# Altium PCB IOT_Gas.PcbDoc
Units mil, origin at the board's own origin, x right, y up, seen from the top; angles counter-clockwise.
Board outline 5095 x 4145.03 mil, 2 copper layers (Top Layer, Bottom Layer); 24 components, 21 nets, 116 pads, 6 vias.
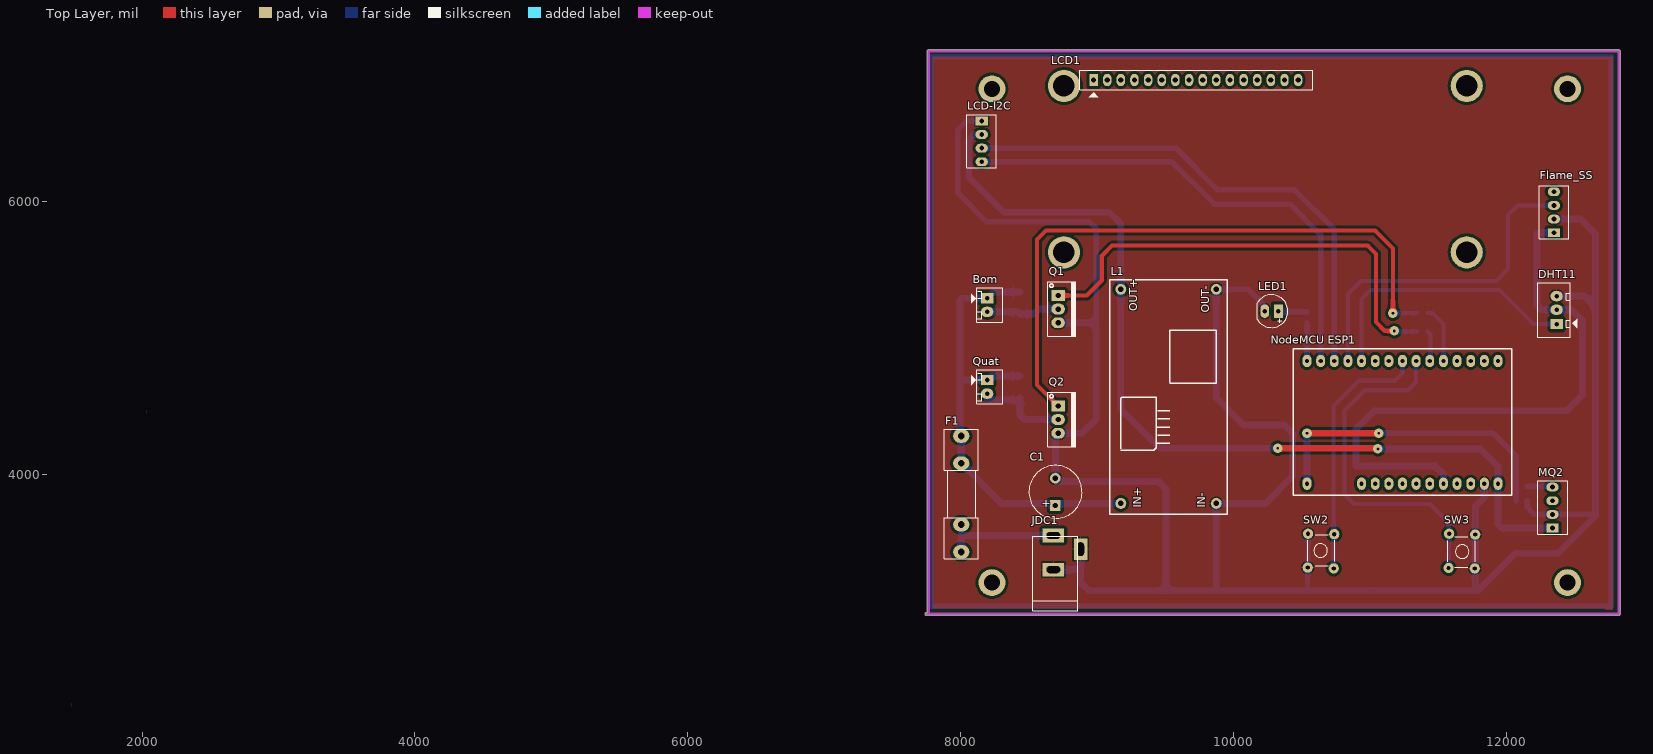
[diagram p0: Top Layer view]
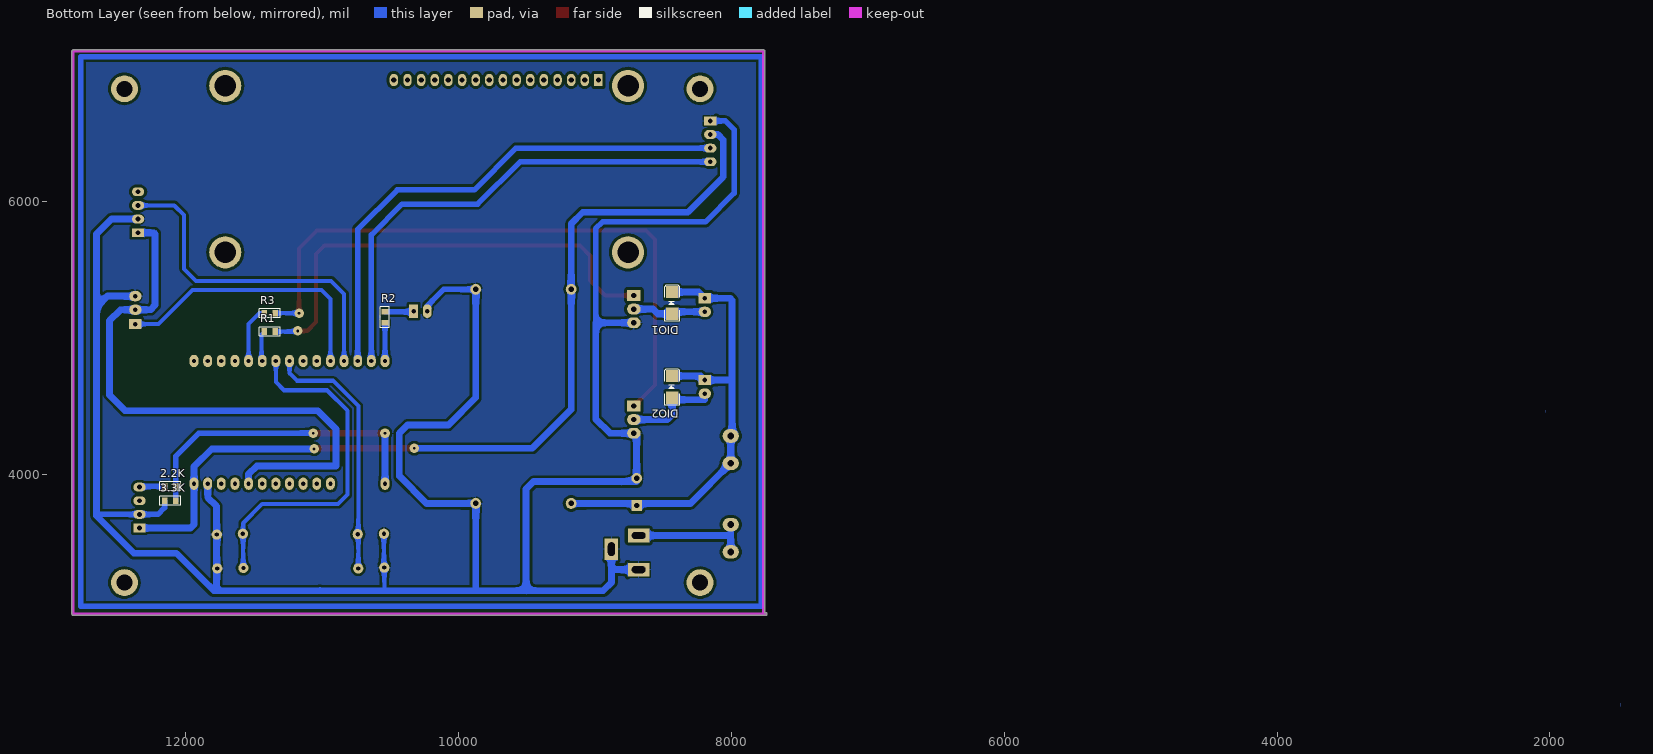
[diagram p1: Bottom Layer view, seen from below]
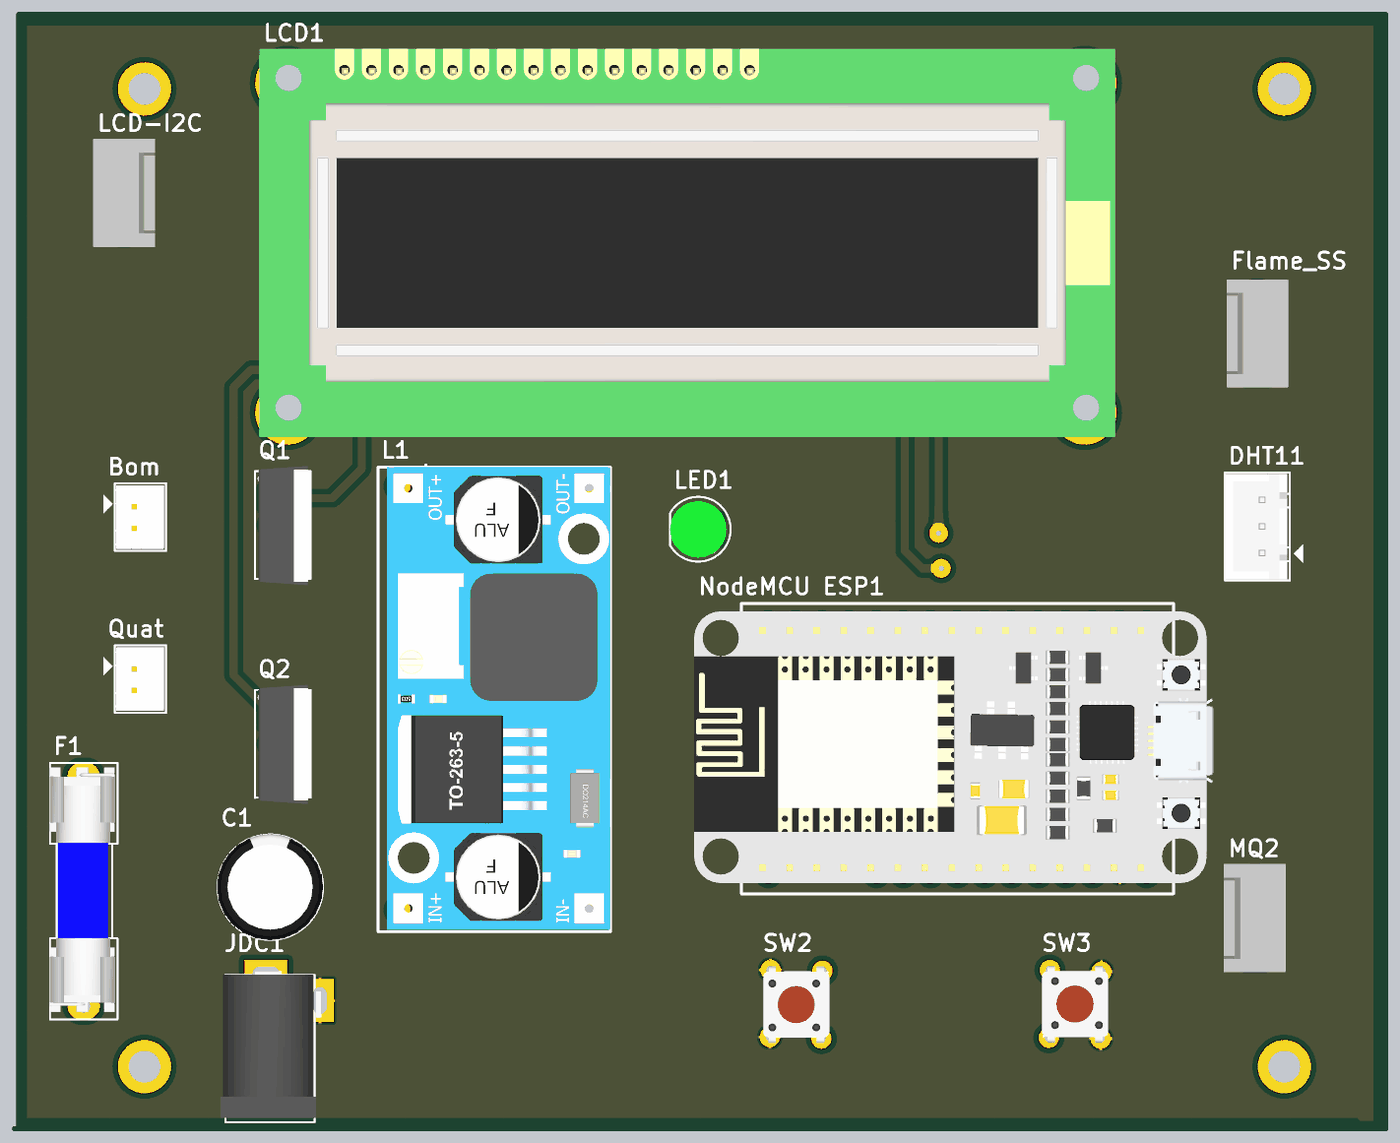
[diagram p2: 3D render of the assembled board from above, using the file's embedded part models]
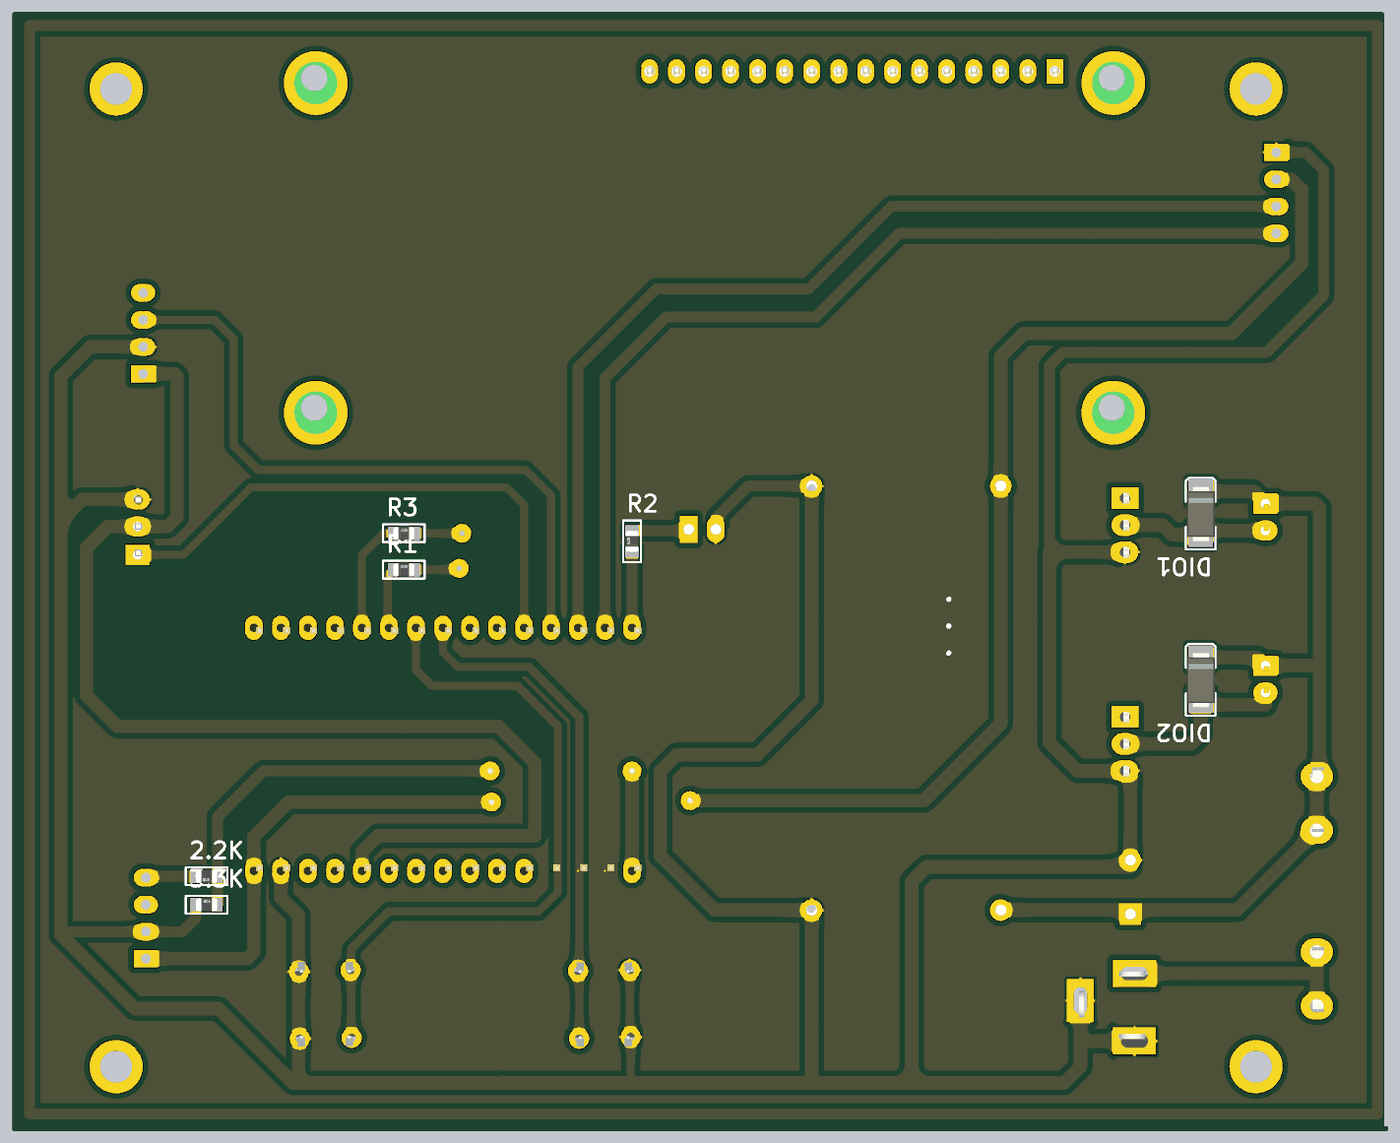
[diagram p3: 3D render of the assembled board from below, using the file's embedded part models]

## Layer stack, top to bottom
Top Solder: solder mask 0.4, Solder Resist, Dk 3.5
Top Layer: signal copper 1.4
Dielectric 1: dielectric 12.6, FR-4, Dk 4.8
Bottom Layer: signal copper 1.4
Bottom Solder: solder mask 0.4, Solder Resist, Dk 3.5

## Board outline
7750,2964.99 cw(c7750,2975) 7750,2985.01 7754.98,2985.01 7754.98,7100 cw(c7765,7100) 7765,7110.02 12825,7110.02 cw(c12825,7100) 12835.01,7100 12835.01,2975 cw(c12825,2975) 12825,2964.99

## Design rules (kind name [scope] priority, off if disabled: settings)
Clearance [All] p1: gap=20 ignorepadtopadclearanceinfootprint=FALSE
PolygonConnect [All] p1: connectstyle=Relief reliefconductorwidth=10 reliefentries=4 polygonreliefangle="90 Angle" airgapwidth=10
RoomDefinition IOT_Gas [InComponentClass('IOT_Gas')] p1: confinementstyle=ConfineIn formatcopy=TRUE lockcomponents=FALSE outline 0,0 2000,0 2000,1000 0,1000
RoutingVias [All] p1: holewidth=20 width=70 viastyle="Through Hole" minholewidth=20 minwidth=70 maxholewidth=20 maxwidth=70
SilkToSilkClearance [IsText] p1: silktosilkclearance=10
SolderMaskExpansion [All] p1: expansion=4
Width [All] p1: maxlimit=50 minlimit=30 preferedwidth=40
29 further rules are at their usual default settings.

## Components (designator, comment, footprint, x,y, rotation, side; value= is the part's Value field where it differs from the comment)
2.2K "2k2" "DIEN TRO 0805" 12115,3910 r180 bottom
3.3K "3k3" "DIEN TRO 0805" 12115,3805 r0 bottom
Bom "Bom" Header2 8195,5290 r270 top
C1 "1000uF/16V" C10mm 8695,3870 r90 top
DHT11 "DHT11" Header3 12370,5105 r90 top
DIO1 "M7" DIO-SMD-106 8435,5255 r270 bottom value=1N5007
DIO2 "M7" DIO-SMD-106 8435,4640 r270 bottom value=1N5007
F1 "F2A" Fuse 8005,3855 r90 top value=Fuse
Flame_SS "Flame_SS" HDR4 12350,5770 r90 top
JDC1 "Jac DC" DC-IN 8780,3425 r90 top
L1 "BUCK_LM2596" BUCK_LM2596 9495,4555 r90 top
LCD1 "LCD 16x2" LCD16X2N 8975,6890 r0 top
LCD-I2C "Header4" HDR4 8155,6590 r270 top
LED1 "LED" "LED-5 GRe" 10330,5195 r180 top value="LED 3 ly Single Colour"
MQ2 "MQ2" HDR4 12339.89,3605 r90 top
"NodeMCU ESP1" "NodeMCU ESP8266" "NodeMCU ESP8266" 10540,3930 r0 top locked
Q1 "TIP122" QTO-220 8715,5310 r270 top
Q2 "TIP122" QTO-220 8715,4500 r270 top
Quat "Quat" Header2 8195,4690 r270 top
R1 "330" "DIEN TRO 0805" 11385,5045 r0 bottom
R2 "330" "DIEN TRO 0805" 10540,5150 r270 bottom
R3 "330" "DIEN TRO 0805" 11385,5180 r0 bottom
SW2 "SW" SW4 10545,3315 r90 top value="Button chip 4 pin"
SW3 "SW" SW4 11773,3557 r270 top value="Button chip 4 pin"

## Footprints (in the part's own frame and the unit in brackets; to place one, negate y for a bottom-side part, rotate by r counter-clockwise, add the part's x,y. Pads: shape width x height; smd on the part's side, far side on the other; paste and mask are expansions set on the pad)
BUCK_LM2596 [mil]
  round 80 hole 40: 1(-770,320) 2(-770,-380) 3(800,-380) 4(800,320)
  silkscreen extent -850,-460 870,400, body extent -843,-460 870,367, height 519
C10mm [mm]
  rect 2x2 hole 1: 1(-2.54,0)
  round 2 hole 1: 2(2.54,0)
  silkscreen extent -4.95,-4.96 4.93,4.92, body extent -5,-5 4.97,5, height 20.01
DC-IN [mil] "Jac DC input"
  rect 100x160 hole 50 slot 100 at 90 deg: 1(125,100) 2(-125,100)
  rect 160x100 hole 50 slot 100 at 0 deg: 3(25,-100)
  silkscreen extent -425,-80 120,250, body extent -410,-105 134,269, height 434
"DIEN TRO 0805" [mil] "Chip Resistor; Body 2.0 x 1.3 mm (LxW typ)"
  rect 39.37x50 smd: 1(-40,0) 2(40,0)
  silkscreen extent -77,-33 77,33, body extent -39,-25 39,25, height 31
DIO-SMD-106 [mil]
  rect 90x90.55 smd: 1(80,0) 2(-80,0)
  silkscreen extent -130,-55 135,55, body extent -99,-50 106,52, height 95
Fuse [mil] "De Fuse"
  oval 100x120 hole 50: 1(-425,0) 1(-225,0) 2(225,0) 2(425,0)
  silkscreen extent -475,-125 475,125, body extent -448,-117 459,127, height 378
HDR4 [mil] "Connector; Header; 4 Position"
  rect 65x90 hole 35.43: 1(0,0)
  oval 65x90 hole 35.43: 2(100,0) 3(200,0) 4(300,0)
  silkscreen extent -45,-110 345,108, body extent -50,-115 350,113, height 461
Header2 [mil] "CON2"
  rect 75x90 hole 34: 1(0,0)
  oval 75x90 hole 34: 2(100,0)
  silkscreen extent -75,-118 175,115, body extent -68,-70 168,107, height 236
Header3 [mil] "CON 3"
  rect 75x90 hole 34: 1(-5,0)
  oval 75x90 hole 34: 2(100,0) 3(200,0)
  silkscreen extent -100,-150 300,140, body extent -95,-90 295,136, height 276
LCD16X2N [mil] "LCD dipslay 16x2, 16 pin"
  rect 62x90 hole 39: 1(0,0)
  oval 62x90 hole 39: 2(100,0) 3(200,0) 4(300,0) 5(400,0) 6(500,0) 7(600,0) 8(700,0) 9(800,0) 10(900,0) 11(1000,0) 12(1100,0) 13(1200,0) 14(1300,0) 15(1400,0) 16(1500,0)
  silkscreen extent -100,-125 1608,70, body extent -320,-1353 2850,84, height 764
"LED-5 GRe" [mil] "LED 2 PIN, 5 ly , Only colour,pin to pin 100mil"
  rect 65x100 hole 32: 1(0,0)
  oval 65x100 hole 32: 2(100,0)
  silkscreen extent -70,-120 154,120, body extent -54,-104 154,105, height 337
"NodeMCU ESP8266" [mil]
  oval 65x90 hole 31.5: 1(0,0) 5(400,0) 6(500,0) 7(600,0) 8(700,0) 9(800,0) 10(900,0) 11(1000,0) 12(1100,0) 13(1200,0) 14(1300,0) 15(1400,0) 16(1400,900) 17(1300,900) 18(1200,900) 19(1100,900) 20(1000,900) 21(900,900) 22(800,900) 23(700,900) 24(600,900) 25(500,900) 26(400,900) 27(300,900) 28(200,900) 29(100,900) 30(0,900)
  round 0 all layers, no hole: 2(100,0) 3(200,0) 4(300,0)
  silkscreen extent -100,-85 1500,990, body extent -275,-45 1647,961, height 486
QTO-220 [mil] "TO-220 - 1-2-3"
  rect 80x100 hole 39: 1(0,0)
  oval 80x100 hole 39: 2(100,0) 3(200,0)
  silkscreen extent -100,-76 300,130, body extent -119,-64 322,121, height 755
SW4 [mil] "SW button 4pin, 250 x250 mil"
  round 75 hole 31: 1(0,0) 2(245,-195) 3(248,-3) 4(-6,-191)
  silkscreen extent 15,-215 240,0, body extent -36,-220 276,24, height 276

## Part data
2.2K 3.3K R1 R2 R3: library part R0805, "Resistor SMD 0805", LatestRevisionDate=17-Jul-2002, LatestRevisionNote="Re-released for DXP Platform.", PackageReference=AXIAL-0.4, Published=8-Jun-2000, Publisher="Altium Limited"
Bom Quat: library part Header2, "Header IDC, 2 x 1 Pin Vertical 2.54mm Pitch (Non-Boxed, Male)", Manufacturer="Würth Elektronik eiSos GmbH", partNo=613002143121, ComponentLink1 Description=Manufacturer, ComponentLink1URL=http://www.we-online.com, ComponentLink2 Description=Datasheet, ComponentLink2URL=http://katalog.we-online.de/em/datasheet/6130xx143121.pdf, Created by="Karrer Zheng", Created Date="29 March 2013", NoPins=02
C1: library part "Cap Pol 12mm", "Polarized Capacitor (Axial)", LatestRevisionDate=17-Jul-2002, LatestRevisionNote="Re-released for DXP Platform.", PackageReference=POLAR0.8, Published=8-Jun-2000, Publisher="Altium Limited"
DHT11: library part Header3, "Header IDC, 3 x 1 Pin Vertical 2.54mm Pitch (Non-Boxed, Male)", Manufacturer="Würth Elektronik eiSos GmbH", partNo=613002143121, ComponentLink1 Description=Manufacturer, ComponentLink1URL=http://www.we-online.com, ComponentLink2 Description=Datasheet, ComponentLink2URL=http://katalog.we-online.de/em/datasheet/6130xx143121.pdf, Created by="Karrer Zheng", Created Date="29 March 2013", NoPins=02
DIO1 DIO2: library part "Diode SMD", "Default Diode", Code - JEDEC=DO-214-AB, Published=8-Jun-2000, Publisher="Altium Limited", Revision="July-2002: Re-released for DXP Platform."
F1: library part Fuse, "Fuse", Designed by=VanDungEvn
Flame_SS MQ2: library part Header4, "Header IDC, 4 x 1 Pin Vertical 2.54mm Pitch (Non-Boxed, Male)", Manufacturer="Würth Elektronik eiSos GmbH", partNo=613002143121, ComponentLink1 Description=Manufacturer, ComponentLink1URL=http://www.we-online.com, ComponentLink2 Description=Datasheet, ComponentLink2URL=http://katalog.we-online.de/em/datasheet/6130xx143121.pdf, Created by="Karrer Zheng", Created Date="29 March 2013", NoPins=02
JDC1: library part DCIN, "Jac DC input"
LCD1: library part LCD
LCD-I2C: "Header IDC, 4 x 1 Pin Vertical 2.54mm Pitch (Non-Boxed, Male)", Manufacturer="Würth Elektronik eiSos GmbH", partNo=613002143121, ComponentLink1 Description=Manufacturer, ComponentLink1URL=http://www.we-online.com, ComponentLink2 Description=Datasheet, ComponentLink2URL=http://katalog.we-online.de/em/datasheet/6130xx143121.pdf, Created by="Karrer Zheng", Created Date="29 March 2013", NoPins=02
LED1: "LED Single colour Green and Red"
Q1 Q2: "Darlington Silicon Power NPN Transistor, 8 Amp, 100 Volts and 65 Watts"
SW2 SW3: library part SW4, "Switch button 4 pin"

## Free pads (board coordinates)
  round 196.85 hole 118.11: 1(8230,3205) 2(8230,6825) 3(12450,6825) 4(12450,3205)
  round 236.22 hole 157.48: 5(8758.15,6846.65) 6(8758.15,5626.18) 7(11710.91,5626.18) 9(11710.91,6846.65)

## Via types
v1: diameter 70, hole 20, Top Layer to Bottom Layer, 6 vias

## Nets (pads, with @x,y where several pads share a name; then routed paths per layer and width w, separated by ;. In a path a pad name is that pad's centre, name@x,y a point inside that pad or via, vN(x,y) a via of type N, cw(c..) or ccw(c..) an arc to the next point about the centre after c; other vN are vias at no path point)
3.3V: "NodeMCU ESP1.11" DHT11.2 Flame_SS.1 | length 4345.2
  Bottom Layer w50: 11540,3930 11540,4000 11480,4060 10900,4060 10900,4330 11035,4465 12445,4465 12560,4580 12560,5125 12480,5205 DHT11.2 12260,5205 12225,5240 12225,5760 12235,5770 Flame_SS.1
12V: Bom.1 C1.1 DIO1.2 DIO2.2 F1.2 L1.1 Quat.1 | length 3429.8
  Bottom Layer w50: DIO2.2 8225,4720 Quat.1 8010,4690 7995,4705 ; DIO1.2 8240,5335 Bom.1 8010,5290 7995,5275 7995,4705 ; C1.1 C1.1@8695,3785 ; L1.1 C1.1@8695,3785 ; 7995,4705 7995,4290 8005,4280 8005,4080 8300,3785 C1.1@8695,3785
Bom: "NodeMCU ESP1.21" R1.2 | length 225.4
  Bottom Layer w30: R1.2 11445,5025 11445,4835 11440,4830
BT2: "NodeMCU ESP1.23" SW2.2 SW2.4 | length 1885.8
  Bottom Layer w30: SW2.4 10735,3310 10735,4500 10920,4685 11185,4685 11240,4740 11240,4830
BT3: "NodeMCU ESP1.22" SW3.2 SW3.4 | length 2562.8
  Bottom Layer w30: 11340,4830 11340,4675 11280,4615 10965,4615 10815,4465 10815,3850 10885,3780 11440,3780 11580,3640 11580,3314 SW3.2
DHT: "NodeMCU ESP1.26" DHT11.1 | length 2015.5
  Bottom Layer w30: 10940,4830 10940,5285 11005,5350 11950,5350 12200,5100 DHT11.1
Flame_ss: "NodeMCU ESP1.27" Flame_SS.3 | length 2500.6
  Bottom Layer w30: 10840,4830 10840,5320 10935,5415 11925,5415 12015,5505 12015,5900 12085,5970 Flame_SS.3
GND: 3.3K.2 "NodeMCU ESP1.14" C1.2 DHT11.3 Flame_SS.2 JDC1.2 JDC1.3 L1.2 L1.3 LCD-I2C.1 LED1.2 MQ2.2 Q1.3 Q2.3 SW2.1 SW2.3 SW3.1 SW3.3 | length 18600.8
  Bottom Layer w30: 10540,3145 10545,3150 SW2.1 10548,3318 SW2.3
  Bottom Layer w40: LCD-I2C.1 8045,6590 7980,6525 7980,6060 8190,5850 8945,5850 8995,5800 8995,5110 ; L1.3 10110,5355 10230,5235 LED1.2 ; 11740,3145 11770,3175 ; SW3.3 11770,3554 SW3.1 11773,3603 ; 3.3K.2 12155,3755 12205,3705 MQ2.2 12645,3705
  Bottom Layer w50: JDC1.2 8855,3300 8880,3325 ; Q1.3 8995,5110 8995,4405 8890,4300 Q2.3 8695,4280 C1.2 8695,3945 9450,3945 9505,3890 9505,3145 ; JDC1.3 8880,3325 ; L1.3 9875,4560 10075,4360 10375,4360 10435,4300 10435,3985 10235,3785 L1.2 9875,3160 9860,3145 ; 11017.5,3147.5 11020,3145 ; 11840,3930 11840,3830 11775,3765 11775,3165 11795,3145 ; Flame_SS.2 12545,5870 12655,5760 12655,5225 ; DHT11.3 12575,5305 12655,5225 ; 8880,3325 8880,3205 8940,3145 9505,3145 ; 9505,3145 9860,3145 ; 9860,3145 10540,3145 11020,3145 ; 11020,3145 11740,3145 11795,3145 ; 11795,3145 12070,3420 12380,3420 12655,3695 12655,5225
LCD_SCL: "NodeMCU ESP1.29" LCD-I2C.4 | length 3631.6
  Bottom Layer w40: LCD-I2C.4 9550,6290 9860,5980 10415,5980 10640,5755 10640,4830
LCD_SDA: "NodeMCU ESP1.28" LCD-I2C.3 | length 3796.5
  Bottom Layer w40: LCD-I2C.3 9580,6390 9885,6085 10450,6085 10740,5795 10740,4830
MQ2: 2.2K.2 3.3K.1 "NodeMCU ESP1.1" | length 2300.4
  Top Layer w50: v1(10540,4300) v1(11065,4300)
  Bottom Layer w40: v1(11065,4300) 11905,4300 12075,4130 2.2K.2 3.3K.1
  Bottom Layer w50: 10540,3930 v1(10540,4300)
Net2.2K_1: 2.2K.1 MQ2.4 | length 187
  Bottom Layer w40: 2.2K.1 12334.89,3910 MQ2.4
NetBom_2: Bom.2 DIO1.1 Q1.2 | length 540.7
  Bottom Layer w50: Bom.2 8420,5190 DIO1.1 8540,5175 8575,5210 Q1.2
NetDIO2_1: DIO2.1 Q2.2 Quat.2 | length 710.7
  Bottom Layer w50: Quat.2 8195,4545 8420,4545 DIO2.1 8435,4435 8470,4400 Q2.2
NetF1_1: F1.1 JDC1.1 | length 877.1
  Bottom Layer w50: F1.1@8005,3430 8005,3555 ; F1.1@8005,3630 8005,3555 ; JDC1.1 8010,3550 8005,3555
NetLED1_1: LED1.1 R2.1 | length 212.1
  Bottom Layer w40: LED1.1 10335,5190 R2.1
"NetNodeMCU ESP1_30": "NodeMCU ESP1.30" R2.2 | length 280
  Bottom Layer w40: 10540,4830 R2.2
NetQ1_1: Q1.1 R1.1 | length 3440.5
  Top Layer w30: Q1.1 8925,5310 9035,5420 9035,5600 9110,5675 10985,5675 11045,5615 11045,5115 11110,5050 v1(11180,5050)
  Bottom Layer w30: v1(11180,5050) 11185,5045 R1.1
NetQ2_1: Q2.1 R3.1 | length 4625
  Top Layer w30: Q2.1 8560,4655 8560,5720 8625,5785 11040,5785 11170,5655 v1(11170,5180)
  Bottom Layer w30: v1(11170,5180) R3.1
Quat: "NodeMCU ESP1.20" R3.2 | length 418.1
  Bottom Layer w30: R3.2 11460,5180 11540,5100 11540,4830
VCC: "NodeMCU ESP1.15" L1.4 LCD-I2C.2 MQ2.1 | length 6777.8
  Top Layer w50: v1(10325,4190) 11045,4190 11055,4180 v1(11060,4185)
  Bottom Layer w50: LCD-I2C.2 8100,6490 8060,6450 8060,6180 8320,5920 9090,5920 9175,5835 L1.4 9175,4475 9460,4190 v1(10325,4190) ; v1(11060,4185) 11810,4185 11940,4055 11940,3930 11940,3630 11965,3605 MQ2.1
pads on no net: "NodeMCU ESP1.2" "NodeMCU ESP1.3" "NodeMCU ESP1.4" "NodeMCU ESP1.5" "NodeMCU ESP1.6" "NodeMCU ESP1.7" "NodeMCU ESP1.8" "NodeMCU ESP1.9" "NodeMCU ESP1.10" "NodeMCU ESP1.12" "NodeMCU ESP1.13" "NodeMCU ESP1.16" "NodeMCU ESP1.17" "NodeMCU ESP1.18" "NodeMCU ESP1.19" "NodeMCU ESP1.24" "NodeMCU ESP1.25" Flame_SS.4 LCD1.1 LCD1.2 LCD1.3 LCD1.4 LCD1.5 LCD1.6 LCD1.7 LCD1.8 LCD1.9 LCD1.10 LCD1.11 LCD1.12 LCD1.13 LCD1.14 LCD1.15 LCD1.16 MQ2.3
copper on no net: | length 18100
  Bottom Layer w40: 7890,7060 12770,7060 12770,3030 8090,3030 7780,3030 7780,7060 7950,7060

## Polygon pours and split planes (outlines as drawn)
GND on Bottom Layer "Bottom Layer-No Net" (solid, remove dead copper, pour order 0): 7780,7060 7830,7110 12800,7110 12800,3010 12795,3015 7755,3015 7755,7025 7780,7050
GND on Top Layer "Bottom Layer-No Net" (solid, pour order 2): 7770,7050 7780,7060 12780,7060 12780,3005 12755,2980 12720,3015 7770,3015

## Keep-outs
Keep-Out Layer:
  lines w20: 7750,2975 12825,2975 12825,7100 7765,7100 7765,2975 7885,2975

## Text inside footprints (layer, text, board x,y; h text height)
C1: Top Overlay "+" at 8655,3750 h60 r90
L1: Top Overlay "OUT-" at 9825,5185 h60 r90; Top Overlay "OUT+" at 9295,5195 h60 r90; Top Overlay "IN-" at 9795,3755 h60 r90; Top Overlay "IN+" at 9325,3755 h60 r90